# Altium PCB Driver.PcbDoc (continued)
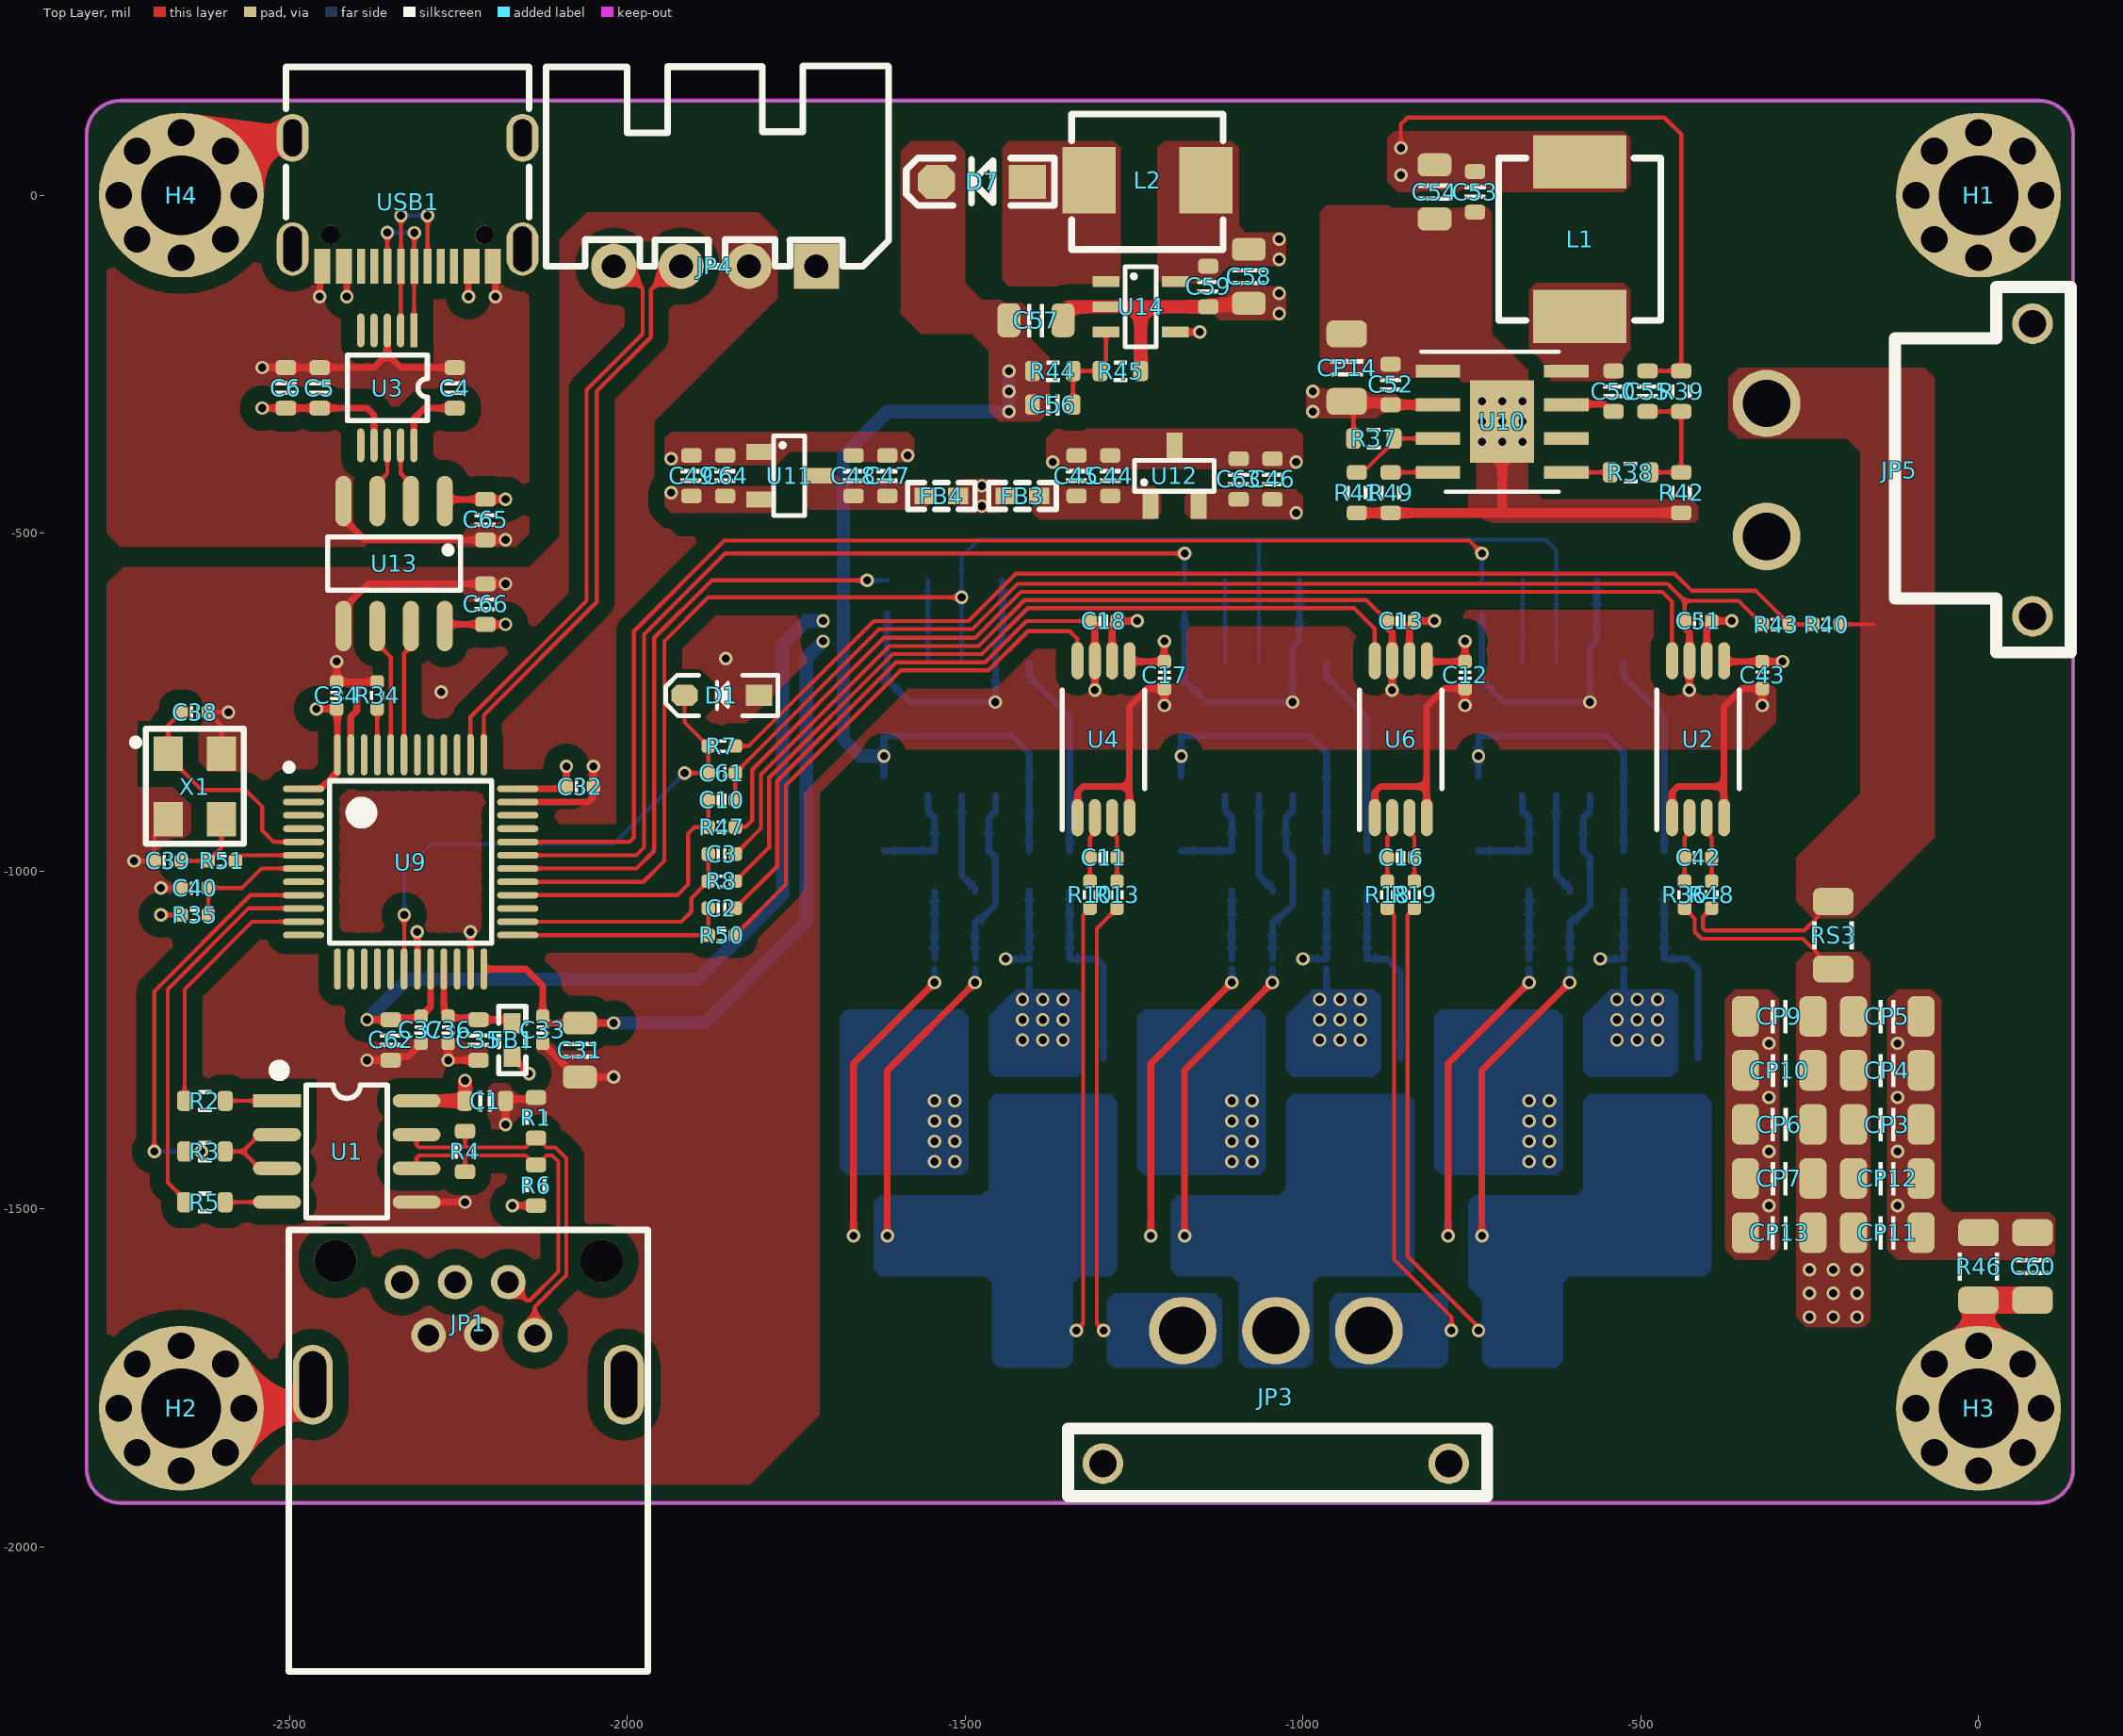
[diagram p0: Top Layer view]
## Footprints (in the part's own frame and the unit in brackets; to place one, negate y for a bottom-side part, rotate by r counter-clockwise, add the part's x,y. Pads: shape width x height; smd on the part's side, far side on the other; paste and mask are expansions set on the pad) (continued)
  rect 43.31x51.18 smd: 1(-39.5,48.5) 2(-39.5,-48.5) 3(39.5,-48.5) 4(39.5,48.5)
  silkscreen extent -92,-84 72,86, body extent -51,-62 48,64, height 31
"定位孔 Φ3 1" [mm]
  round 1 hole 1: 1(-2.35,0) 1(-1.662,-1.662) 1(-1.662,1.662) 1(0,-2.35) 1(0,2.35) 1(1.662,-1.662) 1(1.662,1.662) 1(2.35,0)
  round 6.2 hole 3: 1(0,0)

## Part data
C1 C2 C3 C6 C7 C8 C9 C10 C11 C12 C13 C14 C15 C16 C17 C18 C19 C20 C21 C22 C23 C24 C25 C26 C27 C28 C29 C30 C31 C32 C33 C34 C35 C36 C37 C38 C39 C40 C41 C42 C43 C44 C45 C46 C47 C48 C49 C50 C51 C52 C53 C54 C55 C56 C57 C58 C59 C60 C61 C62 C63 C64 CP1 CP2 CP3 CP4 CP5 CP6 CP7 CP8 CP9 CP10 CP11 CP12 CP13 CP14: library part Cap
C4 C5 C65 C66: library part Cap_100nF
D1: "3.14V~3.47V / 300mW"
D3 D4 D5: "100V 0.2A开关管"
D7: "30V 0.5A"
FB1 FB3 FB4: library part FB, "磁珠"
JP1: "IEEE 1394 FireWire接口"
JP4: library part "Header 4P", "4P接插件", BOM名称=4P接插件, 学习资源=www.ooocke.com, 版权归属=源创客
L1 L2: library part L-CDRH, "功率屏蔽电感"
M1 M2 M3 M4 M5 M6: "N沟场效应管"
R1 R2 R3 R4 R5 R6 R7 R8 R9 R10 R11 R12 R13 R14 R15 R16 R17 R18 R19 R20 R21 R22 R23 R24 R25 R26 R27 R28 R29 R30 R31 R32 R33 R34 R35 R36 R37 R38 R39 R40 R41 R42 R43 R44 R45 R46 R47 R48 R49 R50 R51 RS1 RS2 RS3: library part RES
U1: "485总线芯片"
U2 U4 U6: library part INA240, "No Description Available", Manufacturer_Part_Number=INA240A1PW, Mfr_Name="Texas Instruments", Copyright="Copyright (C) 2022 Ultra Librarian. All rights reserved.", RefDes=RefDes, Type=DEV
U3: "USB to TTL Serial / UART"
U5 U7 U8: "半桥驱动"
U9: "No Description Available", Mfr_Name=STMicroelectronics, Copyright="Copyright (C) 2022 Ultra Librarian. All rights reserved.", Manufacturer_Part_Number=STM32G431CBT6, RefDes=RefDes, Type=DEV
U10: "No Description Available", Manufacturer_Part_Number=SCT2A10STER
U11: library part XC6206, "VIN < 6V"
U12: library part REF33XX, "TI 电压基准"
U13: "隔离芯片"
U14: library part TPS6104x, "Boost DC-DC"
USB1: library part USB-C-16P, BOM_JLCPCB Part Class="Extended Part", BOM_Manufacturer="Shenzhen Kinghelm Elec", BOM_Manufacturer Part=KH-TYPE-C-16P, BOM_Supplier=LCSC, BOM_Supplier Part=C709357, Contributor=LCSC, spicePre=U, spiceSymbolName=KH-TYPE-C-16P
X1: library part XTAL-4, "4脚晶振", BOM名称=4脚晶振, 学习资源=www.ooocke.com, 版权归属=源创客

## Via types
v1: diameter 20, hole 12, Top Layer to Bottom Layer, 180 vias

## Nets (pads, with @x,y where several pads share a name; then routed paths per layer and width w, separated by ;. In a path a pad name is that pad's centre, name@x,y a point inside that pad or via, vN(x,y) a via of type N, cw(c..) or ccw(c..) an arc to the next point about the centre after c; other vN are vias at no path point)
3V3: C12.2 C17.2 C31.2 C32.2 C33.2 C34.2 C43.2 C49.2 C64.2 C66.1 FB1.1 JP4.1 R35.1 U2.5 U4.5 U6.5 U9.1 U9.24 U9.36 U9.48 U11.2 U13.8 | length 3164.3
  Top Layer w6: v1(-2690,-1065) R35.1
  Top Layer w10: U9.1 -2453.53,-878.23 -2428.77,-853.47 U9.48 U9.48 -2428.85,-761.15 C34.2 v1(-2460,-760) ; U13.8 -2267.48,-635 C66.1 v1(-2180,-635) ; U9.24 U9.24 -2150,-1145 -2125,-1170 C33.2 -2115,-1225 C31.2 v1(-2020,-1225) ; FB1.1@-2170,-1272.5 FB1.1 v1(-2145.25,-1299.75) ; U9.36 U9.36 -2093.15,-878.15 C32.2 v1(-2090,-845) ; U4.5 -1255.47,-690 C17.2 ; v1(-1205,-660) C17.2 ; C17.2@-1200,-690 C17.2 ; U6.5 -815.47,-690 C12.2 v1(-760,-660) ; U2.5 -375.47,-690 C43.2 v1(-290,-690)
  POWER GND2 w20: v1(-1710,-660) v1(-1205,-660) v1(-760,-660) -320,-660 v1(-290,-690)
  Bottom Layer w20: v1(-2020,-1225) -1885,-1225 -1735,-1075 -1735,-685 v1(-1710,-660)
  other v1: -1935,-440
3V_REF: C13.2 C18.2 C37.1 C46.2 C51.2 C62.1 C63.2 U2.6 U4.6 U6.6 U9.20 U12.2 | length 3074.6
  Top Layer w10: v1(-2385,-1220) C62.1 -2347.5,-1217.5 -2307.5,-1217.5 C37.1 -2290.97,-1200.97 U9.20 ; U4.6 -1282.2,-637.2 C18.2 v1(-1245,-630) ; U6.6 -842.2,-637.2 C13.2 v1(-805,-630) ; U2.6 -402.2,-637.2 C51.2 v1(-365,-630)
  POWER GND2 w20: v1(-1710,-630) v1(-1245,-630) -1010,-630 ; v1(-1010,-470) -1010,-630 ; v1(-365,-630) v1(-805,-630) -1010,-630
  Bottom Layer w20: v1(-2385,-1220) -2325,-1160 -1895,-1160 -1770,-1035 -1770,-665 -1735,-630 v1(-1710,-630)
5V: C1.2 C53.2 C54.1 C55.1 C58.2 C59.2 FB3.1 FB4.1 JP1.1 L1.2 L2.1 R6.1 R39.2 U1.8 U14.4 U14.5 | length 1082.4
  Top Layer w6: v1(-855,70) -855,105 -845,115 -465,115 -440,90 R39.2 C55.1
  Top Layer w10: v1(-2170,-1495) R6.1 ; U14.4 v1(-1152.6,-202.4)
  Top Layer w20: U1.8 C1.2 v1(-2240,-1310)
  POWER GND2 w20: -2240,-1355 v1(-2240,-1310)
  other v1: -1475,-460 -1475,-430 -1035,-95 -1035,-65 -855,30
12V: C7.1 C8.1 C19.1 C20.1 C25.1 C26.1 C56.2 C57.2 D3.A D4.A D5.A D7.K R44.1 U5.5 U7.5 U8.5 | length 3789.4
  POWER GND1 w20: v1(-1620,-829.94) -1620,-1088.28 -1608.28,-1100 -1180,-1100 ; v1(-1180,-829.94) -1180,-1100 ; v1(-740,-829.94) -740,-1088.28 -751.72,-1100 -1180,-1100
  Bottom Layer w10: D3.A v1(-1620,-829.94) C7.1 -1430,-800 -1405,-825 U5.5 C20.1 ; D4.A v1(-1180,-829.94) C19.1 -990,-800 -965,-825 U7.5 C8.1 ; D5.A v1(-740,-829.94) C25.1 -550,-800 -525,-825 U8.5 C26.1
  Bottom Layer w20: v1(-1620,-829.94) -1655.06,-829.94 -1680,-805 -1680,-385 -1615,-320 v1(-1435,-320) v1(-1435,-290) v1(-1435,-260)
"485 DIR": R3.1 U9.9 | length 616
  Top Layer w6: v1(-2700,-1415) -2700,-1178.03 -2557.68,-1035.71 U9.9 ; R3.1@-2655,-1419 R3.1 v1(-2630,-1415)
  Bottom Layer w6: v1(-2700,-1415) v1(-2630,-1415)
"485 RXD": R2.1 U9.11 | length 382.4
  Top Layer w6: R2.1 -2655,-1175 -2555.08,-1075.08 U9.11
"485 TXD": R5.1 U9.10 | length 576.3
  Top Layer w6: R5.1 -2655,-1486 -2680,-1461 -2680,-1175 -2560,-1055 -2479.36,-1055 U9.10
485_N: JP1.6 R1.1 R4.2 U1.7 | length 563
  Top Layer w6: U1.7 -2311.65,-1405.49 -2308.14,-1409 -2243.51,-1409 -2240,-1405.49 ; R4.2 -2240,-1405.49 ; JP1.6 -2136.57,-1644.75 -2090,-1598.17 -2090,-1425 -2106,-1409 -2119.49,-1409 -2123,-1405.49 -2123,-1404.35 -2132.35,-1395 -2137.65,-1395 -2147,-1404.35 -2147,-1405.49 -2150.51,-1409 -2236.49,-1409 -2240,-1405.49
485_P: JP1.5 R4.1 R6.2 U1.6 | length 532.4
  Top Layer w6: U1.6 -2311.65,-1424.51 -2308.14,-1421 -2243.51,-1421 -2240,-1424.51 ; R4.1 -2240,-1424.51 ; JP1.5 -2149.07,-1635.3 -2144.1,-1635.3 -2102,-1593.2 -2102,-1429.97 -2110.97,-1421 -2119.49,-1421 -2123,-1424.51 -2123,-1425.65 -2132.35,-1435 -2137.65,-1435 -2147,-1425.65 -2147,-1424.51 -2150.51,-1421 -2236.49,-1421 -2240,-1424.51
BOOT0: R34.1 U9.45 | length 68.2
  Top Layer w6: R34.1 -2369.86,-760.14 -2369.86,-827.89 U9.45
EARTH1: H1.1
EARTH2: H2.1 JP1.7 | length 130.9
  Top Layer w40: H2.1@-2567.48,-1795 -2555.94,-1795 -2554.12,-1793.17 -2474.12,-1793.17 -2465.32,-1784.37 JP1.7
EARTH3: C60.2 H3.1 R46.1 | length 147.5
  Top Layer w40: H3.1@0,-1702.48 R46.1 10,-1635 C60.2
EARTH4: H4.1 USB1.4 | length 210.1
  Top Layer w40: H4.1@-2660,0 -2653.28,0 -2571.4,81.88 -2498.42,81.88 -2495.08,85.23 USB1.4@-2495.08,95.08
GND: C1.1 C2.2 C3.2 C7.2 C8.2 C10.2 C12.1 C13.1 C14.2 C17.1 C18.1 C19.2 C20.2 C22.2 C23.2 C25.2 C26.2 C28.2 C29.2 C31.1 C32.1 C33.1 C34.1 C35.2 C36.2 C37.2 C38.1 C39.1 C40.1 C41.2 C43.1 C44.1 C45.1 C46.1 C47.1 C48.1 C49.1 C51.1 C52.1 C53.1 C54.2 C57.1 C58.1 C59.1 C60.1 C61.2 C62.2 C63.1 C64.1 C66.2 CP1.1 CP2.1 CP3.1 CP4.1 CP5.1 CP6.1 CP7.1 CP8.1 CP9.1 CP10.1 CP11.1 CP12.1 CP13.1 CP14.1 D1.A JP1.2 JP1.4 JP4.2 JP5.2 M2.S M4.S M6.S R1.2 R15.2 R16.2 R17.1 R24.2 R25.2 R26.1 R31.2 R32.2 R33.1 R34.2 R41.1 R42.1 R43.1 R45.2 R46.2 R49.1 U1.5 U2.1 U2.4 U2.7 U4.1 U4.4 U4.7 U5.3 U6.1 U6.4 U6.7 U7.3 U8.3 U9.19 U9.23 U9.35 U9.47 U10.1 U10.EPAD U11.1 U12.3 U13.5 U14.2 X1.2 X1.4 | length 9567.6
  Top Layer w6: v1(-2730,-985) C39.1 -2700,-947.94 -2679.5,-927.44 X1.2 ; v1(-2690,-1025) C40.1 ; X1.4 -2600.5,-784.5 C38.1 v1(-2590,-765) ; C2.2 -1778,-993 -1778,-866.94 -1602.06,-691 -1470.09,-691 -1409.09,-630 C18.1 ; C3.2 -1802,-937 -1802,-857 -1612,-667 -1480.03,-667 -1412.03,-599 -906,-599 C13.1 ; C10.2 C61.2 -1821,-836 -1627,-642 -1488.97,-642 -1421.97,-575 -460,-575 -435,-600 ; C51.1 -435,-600 ; R43.1 -355,-600 -435,-600
  Top Layer w10: v1(-2430,-690) C34.1 -2400,-720 ; U13.5 -2420,-611.93 -2383.07,-575 C66.2 v1(-2180,-575) ; U9.47 -2409.08,-771.71 -2400,-762.63 -2400,-720 ; v1(-2385,-1280) C62.2 -2344.31,-1274.31 -2324.31,-1274.31 C37.2 ; R34.2 -2400,-720 ; U1.5 v1(-2240,-1490) ; U9.19 v1(-2310.66,-1090) ; C36.2 v1(-2265,-1280) C35.2 ; U9.23 v1(-2231.92,-1090) ; v1(-2180,-1375) C1.1 -2177.5,-1337.5 -2137.5,-1337.5 R1.2 ; U9.35 -2057.08,-897.92 -2051.22,-892.06 -2051.22,-876.22 C32.1 v1(-2050,-845) ; C33.1 -2087.84,-1292.16 -2087.84,-1293.27 -2076.11,-1305 C31.1 v1(-2020,-1305) ; U4.1 -1333.39,-883.39 -1325,-875 -1256.61,-875 ; C18.1 -1307.8,-637.2 U4.7 v1(-1307.8,-732.2) ; U4.4 -1256.61,-875 ; v1(-1205,-755) C17.1 -1230,-730 -1256.61,-756.61 -1256.61,-875 ; U6.1 -893.39,-883.39 -885,-875 -816.61,-875 ; C13.1@-875,-640 -867.8,-647.2 U6.7 v1(-867.8,-732.2) ; U6.4 -816.61,-875 ; C12.1@-765,-730 -790,-730 -816.61,-756.61 -816.61,-875 ; v1(-760,-755) C12.1 ; U2.1 -453.39,-883.39 -445,-875 -376.61,-875 ; -435,-640 -427.8,-647.2 U2.7 v1(-427.8,-732.2) ; U2.4 -376.61,-875 ; C43.1@-325,-730 -350,-730 -376.61,-756.61 -376.61,-875 ; v1(-320,-755) C43.1
  Top Layer w15: R41.1 R49.1 -710,-470 ; v1(-705,-335) v1(-705,-365) -705,-465 -710,-470 ; R42.1 -710,-470
  Top Layer w20: C57.1 -1355,-178.89 -1341.11,-165 U14.2 -1240,-165 ; R45.2 -1240,-165 ; C58.1 -1082.5,-162.5 -1137.5,-162.5 C59.1 -1240,-165
  Bottom Layer w10: R16.2 -1615,-715 C7.2 -1612,-720 -1582,-750 v1(-1455,-750) U5.3 -1455,-668.82 -1445,-658.82 C14.2 R15.2 ; v1(-1440,-1130) C22.2 R17.1 C20.2 ; -1405,-1230 C22.2@-1405,-1145 ; R25.2 -1175,-715 C19.2 -1172,-720 -1142,-750 v1(-1015,-750) U7.3 -1015,-668.82 -1005,-658.82 C23.2 R24.2 ; v1(-1000,-1130) C28.2 R26.1 C8.2 ; -965,-1230 C28.2@-965,-1145 ; R32.2 -735,-715 C25.2 -732,-720 -702,-750 v1(-575,-750) U8.3 -575,-668.82 -565,-658.82 C29.2 R31.2 ; v1(-560,-1130) C41.2 R33.1 C26.2 ; -525,-1230 C41.2@-525,-1145
  other v1: -310,-1495 -120,-1495 -310,-1415 -120,-1415 -310,-1335 -120,-1335 -310,-1255 -120,-1255 -1415,-1250 -1385,-1250 -1355,-1250 -975,-1250 -945,-1250 -915,-1250 -535,-1250 -505,-1250 -475,-1250 -1415,-1220 -1385,-1220 -1355,-1220 -975,-1220 -945,-1220 -915,-1220 -535,-1220 -505,-1220 -475,-1220 -1415,-1190 -1385,-1190 -1355,-1190 -975,-1190 -945,-1190 -915,-1190 -535,-1190 -505,-1190 -475,-1190 -2275,-735 -1854.04,-685.72 -1370,-395 -1010,-395 -1935,-390 -1585,-385 -735,-365 -675,-365 -735,-335 -675,-335 -735,-305 -705,-305 -675,-305 -1035,-175 -1035,-145
Ia+: C2.1 R50.1 U9.25 | length 322.1
  Top Layer w6: U9.25 -1880.23,-1094.77 R50.1 C2.1
Ia_Sample: C9.2 C15.2 M1.S M2.D R10.2 R11.1 RS1.2 U5.6 | length 1413.8
  Top Layer w6: v1(-1335,-1680) -1335,-1679.49 -1325,-1669.49 -1325,-1065.51 -1315,-1055.51 R10.2
  Top Layer w10: v1(-1615,-1540) -1615,-1295 v1(-1485,-1165)
  Bottom Layer w6: RS1.2 v1(-1335,-1680)
  Bottom Layer w10: v1(-1615,-1540) M1.S@-1615,-1502.8 ; v1(-1485,-1165) -1485,-1145 ; C15.2 -1485,-1076.27 -1479.04,-1070.31 -1475.31,-1070.31 -1455,-1050 -1455,-995.86 -1455.16,-995.7 -1455.16,-979.84 C9.2 -1465,-921.18 -1455,-911.18 U5.6
Ic-: C3.1 R8.1 U9.26 | length 358.6
  Top Layer w6: U9.26 -1920.08,-1075.08 -1905,-1060 -1905,-1040 R8.1 C3.1
Ic_Sample: C27.2 C30.2 M5.S M6.D R19.2 R28.1 RS2.2 U8.6 | length 1462.3
  Top Layer w6: R19.2@-828.53,-1048.53 R19.2 -845,-1065 -845,-1570 -744.93,-1670.07 -744.93,-1671.28 -740,-1676.21 v1(-740,-1680)
  Top Layer w10: v1(-735,-1540) -735,-1295 v1(-605,-1165)
  Bottom Layer w6: v1(-740,-1680) RS2.2
  Bottom Layer w10: v1(-735,-1540) M5.S@-735,-1502.8 ; v1(-605,-1165) -605,-1145 ; C30.2 R28.1 -605,-1076.27 -599.04,-1070.31 -595.31,-1070.31 -575,-1050 -575,-995.86 -575.16,-995.7 -575.16,-979.84 C27.2 -585,-921.18 -575,-911.18 U8.6
Iin+: C10.1 R47.1 U9.28 | length 407.7
  Top Layer w6: U9.28 -1925.71,-1035.71 -1910,-1020 -1910,-945 -1900,-935 R47.1 C10.1
INa: R12.2 U9.30 | length 908.2
  Top Layer w6: U9.30 -1986.34,-996.34 -1960,-970 -1960,-655 -1875,-570 v1(-1645,-570)
  Bottom Layer w6: v1(-1645,-570) R12.2
INb: R22.2 U9.31 | length 1396.6
  Top Layer w6: U9.31 -1986.66,-976.66 -1975,-965 -1975,-650 -1855,-530 v1(-1175,-530)
  Bottom Layer w6: R22.2 v1(-1175,-530)
INc: R29.2 U9.32 | length 1838.3
  Top Layer w6: U9.32 -1996.97,-956.97 -1990,-950 -1990,-645 -1856,-511 -754,-511 v1(-735,-530)
  Bottom Layer w6: R29.2 v1(-735,-530)
NetC4_1: C4.1 U3.10 | length 106.5
  Top Layer w10: U3.10 -2315.63,-330.63 -2300,-315 C4.1
NetC9_1: C9.1 D3.K U5.8 | length 160.8
  Bottom Layer w10: D3.K -1545.12,-970.12 C9.1 -1545,-921.18 -1555,-911.18 U5.8
NetC11_1: C11.1 R13.1 U4.3 | length 96.8
  Top Layer w6: U4.3 -1282.2,-943.01 -1275,-950.22 R13.1
NetC11_2: C11.2 R10.1 U4.2 | length 96.8
  Top Layer w6: R10.1 -1315,-950.22 -1307.8,-943.01 U4.2
NetC15_1: C15.1 M1.G R9.1 R11.2 | length 581.9
  Top Layer w10: v1(-1665,-1540) -1665,-1285 v1(-1545,-1165)
  Bottom Layer w10: v1(-1665,-1540) M1.G ; v1(-1545,-1165) -1545,-1145 ; C15.1 R11.2 R9.1
NetC16_1: C16.1 R19.1 U6.3 | length 96.8
  Top Layer w6: U6.3 -842.2,-943.01 -835,-950.22 R19.1
NetC16_2: C16.2 R18.1 U6.2 | length 96.8
  Top Layer w6: R18.1 -875,-950.22 -867.8,-943.01 U6.2
NetC21_1: C21.1 D4.K U7.8 | length 160.8
  Bottom Layer w10: D4.K -1105.12,-970.12 C21.1 -1105,-921.18 -1115,-911.18 U7.8
NetC22_1: C22.1 M2.G R14.1 R17.2 | length 291.3
  Bottom Layer w10: R14.1 R17.2 C22.1 -1305,-1130 -1295,-1140 M2.G
NetC24_1: C24.1 M3.G R20.1 R21.2 | length 581.9
  Top Layer w10: v1(-1225,-1540) -1225,-1285 v1(-1105,-1165)
  Bottom Layer w10: v1(-1225,-1540) M3.G ; v1(-1105,-1165) -1105,-1145 ; C24.1 R21.2 R20.1
NetC27_1: C27.1 D5.K U8.8 | length 160.8
  Bottom Layer w10: D5.K -665.12,-970.12 C27.1 -665,-921.18 -675,-911.18 U8.8
NetC28_1: C28.1 M4.G R23.1 R26.2 | length 285.5
  Bottom Layer w10: R23.1 R26.2 C28.1 -875,-1130 -855,-1150 M4.G
NetC30_1: C30.1 M5.G R27.1 R28.2 | length 581.9
  Top Layer w10: v1(-785,-1540) -785,-1285 v1(-665,-1165)
  Bottom Layer w10: v1(-785,-1540) M5.G ; v1(-665,-1165) -665,-1145 ; C30.1 R28.2 R27.1
NetC35_1: C35.1 C36.1 FB1.2 U9.21 | length 171.8
  Top Layer w10: U9.21 -2271.29,-1208.71 C36.1 -2262.5,-1217.5 -2222.5,-1217.5 C35.1 -2175,-1220 FB1.2
NetC39_2: C39.2 R51.1 X1.3 | length 109.6
  Top Layer w6: C39.2 R51.1 -2600.5,-965.5 X1.3
NetC41_1: C41.1 M6.G R30.1 R33.2 | length 288.4
  Bottom Layer w10: R30.1 R33.2 C41.1 -430,-1130 -415,-1145 M6.G
NetC42_1: C42.1 R48.1 U2.3 | length 96.8
  Top Layer w6: U2.3 -402.2,-943.01 -395,-950.22 R48.1
NetC42_2: C42.2 R36.1 U2.2 | length 96.8
  Top Layer w6: R36.1 -435,-950.22 -427.8,-943.01 U2.2
NetC44_2: C44.2 C45.2 FB3.2 U12.1
NetC47_2: C47.2 C48.2 FB4.2 U11.3
NetC50_1: C50.1 U10.7 | length 74.6
  Top Layer w10: U10.7@-610,-309 -555.27,-309 -544.27,-320 C50.1
NetC50_2: C50.2 L1.1 U10.8
NetC55_2: C55.2 R38.1 R39.1 R42.2 | length 185
  Top Layer w6: C55.2 R39.1 R42.2 R38.1
NetC56_1: C56.1 R44.2 R45.1 U14.3 | length 151.3
  Top Layer w6: C56.1 R44.2 R45.1 -1300,-254.65 -1291.18,-245.83 U14.3
NetD7_A: D7.A L2.2 U14.1
NetR2_2: R2.2 U1.1 | length 76.7
  Top Layer w6: R2.2 U1.1
NetR3_2: R3.2 U1.2 U1.3 | length 148
  Top Layer w6: R3.2 -2568.94,-1415 ; U1.3 -2543.94,-1440 -2568.94,-1415 ; U1.2 -2543.94,-1390 -2568.94,-1415
NetR5_2: R5.2 U1.4 | length 76.7
  Top Layer w6: R5.2 U1.4
NetR7_1: R7.1 R40.1 R43.2 | length 1731.7
  Top Layer w6: R7.1 -1820,-815 -1635,-630 -1495,-630 -1425,-560 -450,-560 -425,-585 -330,-585 R43.2 R40.1
NetR8_2: R8.2 U6.8 | length 1234.2
  Top Layer w6: R8.2 -1790,-965 -1790,-861.97 -1607.03,-679 -1475.06,-679 -1407.06,-611 -924,-611 -894,-641 -894,-688.24 U6.8
NetR9_2: R9.2 U5.7 | length 149.9
  Bottom Layer w10: U5.7 -1505,-1006.27 -1485,-1026.27 R9.2
NetR12_1: R12.1 R16.1 U5.1 | length 121.6
  Bottom Layer w6: U5.1 R16.1 R12.1
NetR14_2: R14.2 U5.4 | length 303.3
  Bottom Layer w10: U5.4 -1405,-712.24 -1345,-772.24 R14.2
NetR20_2: R20.2 U7.7 | length 149.9
  Bottom Layer w10: U7.7 -1065,-1006.27 -1045,-1026.27 R20.2
NetR22_1: R22.1 R25.1 U7.1 | length 121.6
  Bottom Layer w6: U7.1 R25.1 R22.1
NetR23_2: R23.2 U7.4 | length 303.3
  Bottom Layer w10: U7.4 -965,-712.24 -905,-772.24 R23.2
NetR27_2: R27.2 U8.7 | length 149.9
  Bottom Layer w10: U8.7 -625,-1006.27 -605,-1026.27 R27.2
NetR29_1: R29.1 R32.1 U8.1 | length 121.6
  Bottom Layer w6: U8.1 R32.1 R29.1
NetR30_2: R30.2 U8.4 | length 303.3
  Bottom Layer w10: U8.4 -525,-712.24 -465,-772.24 R30.2
NetR37_1: R37.1 R41.2 U10.3 | length 143.5
  Top Layer w6: R41.2 -913.54,-403.54 -904.54,-403.54 -865,-364 R37.1 -801,-360 U10.3@-800,-359
NetR38_2: R38.2 U10.5 | length 65.4
  Top Layer w6: U10.5@-610,-409 -609,-410 R38.2
NetR47_2: R47.2 U2.8 | length 1668
  Top Layer w6: R47.2 -1839.51,-934.51 -1824.51,-934.51 -1815,-925 -1815,-850 -1620,-655 -1485,-655 -1417,-587 -468,-587 -454,-601 -454,-688.24 U2.8
NetR49_2: R49.2 U10.4 | length 70.4
  Top Layer w6: R49.2 -801,-410 U10.4@-800,-409
NetR50_2: R50.2 U4.8 | length 816.2
  Top Layer w6: R50.2 -1765,-1020 -1765,-873 -1595,-703 -1465.12,-703 -1407.12,-645 -1345,-645 -1334,-656 -1334,-688.24 U4.8
NetU3_8: U3.8 U13.3 | length 88.7
  Top Layer w6: U13.3 -2370,-426.89 -2355,-411.89 U3.8
NetU3_9: U3.9 U13.2 | length 88.8
  Top Layer w6: U3.9 -2335.31,-411.57 -2320,-426.89 U13.2
NetU9_8: U9.8
NetU9_12: U9.12
NetU9_13: U9.13
NetU9_14: U9.14
NetU9_15: U9.15
NetU9_16: U9.16
NetU9_17: U9.17
NetU9_22: U9.22
NetU9_27: U9.27
NetU9_33: U9.33
NetU9_34: U9.34
NetU9_39: U9.39
NetU9_40: U9.40
NetU9_41: U9.41
NetU9_42: U9.42
NetU9_46: U9.46
OSC_IN: C38.2 U9.5 X1.1 | length 347
  Top Layer w6: C38.2 -2679.5,-784.5 X1.1 -2679.5,-830.44 -2629.94,-880 -2565,-880 -2540,-905 -2540,-940 -2523.03,-956.97 U9.5
OSC_OUT: R51.2 U9.6 | length 104.5
  Top Layer w6: R51.2 -2578.92,-985 -2570.58,-976.66 U9.6
PowerOutA: JP3.3 R13.2 RS1.1 | length 671.6
  Top Layer w6: v1(-1295,-1680) -1295,-1679.49 -1305,-1669.49 -1305,-1085 R13.2
  Bottom Layer w6: v1(-1295,-1680) RS1.1
PowerOutB: C21.2 C24.2 JP3.2 M3.S M4.D R21.1 U7.6 | length 750.5
  Top Layer w10: v1(-1175,-1540) -1175,-1295 v1(-1045,-1165)
  Bottom Layer w10: v1(-1175,-1540) M3.S@-1175,-1502.8 ; v1(-1045,-1165) -1045,-1145 ; C24.2 R21.1 -1045,-1076.27 -1039.04,-1070.31 -1035.31,-1070.31 -1015,-1050 -1015,-995.86 -1015.16,-995.7 -1015.16,-979.84 C21.2 -1025,-921.18 -1015,-911.18 U7.6
PowerOutC: JP3.1 R18.2 RS2.1 | length 702.9
  Top Layer w6: R18.2@-881.01,-1048.99 -865,-1065 -865,-1575 -780,-1660 v1(-780,-1680)
  Bottom Layer w6: RS2.1 v1(-780,-1680)
SDa: C14.1 C23.1 C29.1 R15.1 R24.1 R31.1 U5.2 U7.2 U8.2 U9.29 | length 2423.1
  Top Layer w6: U9.29 -1976.03,-1016.03 -1945,-985 -1945,-660 -1880,-595 v1(-1505,-595)
  Bottom Layer w6: U5.2 C14.1 v1(-1505,-595) R15.1 -1505,-535 -1480,-510 -1065,-510 ; U7.2 C23.1 R24.1 -1065,-510 ; U8.2 C29.1 R31.1 -625,-525 -640,-510 -1065,-510
STM32_RST: C40.2 R35.2 U9.7 | length 192.9
  Top Layer w6: R35.2 C40.2 -2570,-1025 -2541.34,-996.34 U9.7
SWCLK: JP4.4 U9.38 | length 856.4
  Top Layer w6: U9.38 -2231.92,-771.92 -2060,-600 -2060,-288.03 -1977,-205.03 -1977,-138 JP4.4@-2020,-95
SWDIO: JP4.3 U9.37 | length 854.1
  Top Layer w6: U9.37 -2212.23,-769.2 -2045,-601.97 -2045,-290 -1965,-210 -1965,-140 JP4.3@-1920,-95
Udc: C61.1 D1.K R7.2 U9.18 | length 785.4
  Top Layer w6: U9.18@-2330,-1145.31 U9.18 -2330,-1144.62 v1(-2330,-1065) ; v1(-1915,-855) C61.1 R7.2 -1915.12,-779.88 D1.K D1.K@-1915,-740.12
  Bottom Layer w6: v1(-2330,-1065) -2330,-1000 -2290,-960 -2020,-960 v1(-1915,-855)
"USB RXD": U9.43 U13.7 | length 194.8
  Top Layer w6: U9.43 -2330.34,-678.22 -2320,-667.88 U13.7
"USB TXD": U9.44 U13.6 | length 198.8
  Top Layer w6: U13.6 -2370,-663.11 -2350.03,-683.08 U9.44
USB_5V: C5.1 C6.1 C65.2 U3.7 U13.1 USB1.A4 USB1.A9 USB1.B4 USB1.B9 | length 440.5
  Top Layer w10: v1(-2540,-315) C6.1 C5.1 -2385,-315 -2374.68,-325.32 U3.7 ; USB1.A9@-2425.4,-95.09 -2413.58,-95.09 -2415,-96.51 v1(-2415,-150) ; U13.1 -2267.52,-450 C65.2 v1(-2180,-450) ; v1(-2235,-150) -2235,-96.51 -2236.42,-95.09 -2224.61,-95.09 USB1.A4@-2225,-95.47
USB_D_N: U3.2 USB1.A7 USB1.B7 | length 274.7
  Top Layer w6: U3.2 -2335.08,-199.76 -2335.08,-95.32 -2334.84,-95.09 v1(-2334.84,-30.16) ; USB1.B7@-2295.23,-94.85 v1(-2295.23,-29.92)
  Bottom Layer w6: v1(-2334.84,-30.16) -2334.72,-30.04 -2295.35,-30.04 v1(-2295.23,-29.92)
USB_D_P: U3.1 USB1.A6 USB1.B6 | length 225
  Top Layer w6: v1(-2355,-55) -2355,-94.61 USB1.B6@-2354.53,-95.09 ; U3.1 -2315.39,-199.76 -2315.39,-95.32 -2315.16,-95.09 v1(-2315.16,-55.47)
  Bottom Layer w6: v1(-2355,-55) -2354.76,-55.24 -2315.39,-55.24 v1(-2315.16,-55.47)
USB_GND: C4.2 C5.2 C6.2 C65.1 U3.3 U13.4 USB1.A1 USB1.A12 USB1.B1 USB1.B12 | length 750.4
  Top Layer w6: USB1.A12@-2456.89,-95.09 USB1.B1@-2445.08,-95.09 ; USB1.B12@-2204.92,-95.09 USB1.A1@-2193.11,-95.09
  Top Layer w10: v1(-2540,-255) C6.2 C5.2 -2375,-255 -2355,-235 ; USB1.A12@-2456.89,-95.09 -2455,-96.98 v1(-2455,-150) ; U13.4 -2420,-478.07 -2388.07,-510 C65.1 v1(-2180,-510) ; U3.3 -2355,-235 ; C4.2 -2335,-255 -2355,-235 ; v1(-2195,-150) -2195,-96.98 USB1.A1@-2193.11,-95.09
Vin: CP1.2 CP2.2 CP3.2 CP4.2 CP5.2 CP6.2 CP7.2 CP8.2 CP9.2 CP10.2 CP11.2 CP12.2 CP13.2 M1.D M3.D M5.D R36.2 RS3.1 | length 272.5
  Top Layer w6: R36.2 -435,-1055.51 -420,-1070.51 -420,-1090 -410,-1100 -260,-1100 -237.44,-1122.56 -237.44,-1128.53 -220.97,-1145 RS3.1
  other v1: -250,-1660 -215,-1660 -180,-1660 -250,-1625 -215,-1625 -180,-1625 -250,-1590 -215,-1590 -180,-1590 -1545,-1430 -1515,-1430 -1105,-1430 -1075,-1430 -665,-1430 -635,-1430 -1545,-1400 -1515,-1400 -1105,-1400 -1075,-1400 -665,-1400 -635,-1400 -1545,-1370 -1515,-1370 -1105,-1370 -1075,-1370 -665,-1370 -635,-1370 -1545,-1340 -1515,-1340 -1105,-1340 -1075,-1340 -665,-1340 -635,-1340
Vpower: C52.2 CP14.2 JP5.1 R37.2 R40.2 R48.2 RS3.2 U10.2 | length 522.2
  Top Layer w6: CP14.2 -933,-307 -925,-315.01 R37.2 ; R48.2 -408,-1068 -408,-1084.49 -404.49,-1088 -258,-1088 -237.43,-1067.43 -237.43,-1061.46 -220.96,-1045 RS3.2 ; R40.2 -155,-635
  Top Layer w15: CP14.2@-933,-307 C52.2@-870,-307 ; C52.2@-866.5,-306.5 C52.2 U10.2 ; U10.2@-824.5,-309 U10.2@-800,-309
  other v1: -985,-320 -985,-290
pads on no net: JP1.3 JP1.8 JP1.9 JP1.10 JP3.4 JP3.5 JP5.3 JP5.4 U3.4 U3.5 U3.6 U9.2 U9.3 U9.4 U10.6 USB1. USB1.1 USB1.2 USB1.3 USB1.A5 USB1.A8 USB1.B5 USB1.B8

## Polygon pours and split planes (outlines as drawn)
5V on POWER GND2 "5V_L03_P076" (solid, remove dead copper, pour order 76): -840,-10 -940,-110 -1055,-110 -1105,-160 -1105,-405 -1235,-535 -1665,-535 -1745,-615 -1745,-1310 -2085,-1650 -2385,-1650 -2500,-1535 -2500,-1365 -2475,-1340 -2035,-1340 -1960,-1265 -1960,-620 -1655,-315 -1655,50 -1595,110 -860,110 -840,90
3V3 on POWER GND2 "3V3_L03_P075" (solid, remove dead copper, pour order 75): -1725,65 -2055,65 -2095,25 -2095,-485 -2205,-595 -2745,-595 -2775,-625 -2775,-1245 -2720,-1300 -2210,-1300 -2195,-1315 -2045,-1315 -1985,-1255 -1985,-610 -1685,-310 -1685,25
USB_5V on POWER GND2 "USB_5V_L03_P071" (solid, remove dead copper, pour order 71): -2420,-125 -2575,-280 -2575,-415 -2510,-480 -2190,-480 -2140,-430 -2140,-220 -2235,-125
GND on POWER GND2 "GND_L03_P069" (solid, remove dead copper, pour order 69): -1700,-1095 -1655,-1140 -370,-1140 -295,-1065 -295,-740 -340,-695 -1650,-695 -1700,-745
Vpower on POWER GND2 "VPOWER_L03_P066" (solid, remove dead copper, pour order 66): -1020,-335 -935,-420 -415,-420 -380,-385 -275,-385 -235,-345 -235,-230 -280,-185 -990,-185 -1020,-215
GND on POWER GND2 "GND_L03_P053" (solid, remove dead copper, pour order 53): -215,-450 -355,-450 -370,-465 -370,-555 -340,-585 -190,-585 -175,-600 -175,-1160 -190,-1175 -190,-1200 -170,-1220 35,-1220 50,-1205 50,-465 35,-450
GND on POWER GND2 "GND_L03_P000" (solid, remove dead copper, pour order 0): -1680,-1175 -1700,-1195 -1700,-1505 -1680,-1525 35,-1525 50,-1510 50,-1185 40,-1175
USB_GND on POWER GND1 "USB_GND_L02_P073" (solid, remove dead copper, pour order 73): -2165,-520 -2145,-500 -2145,115 -2170,140 -2750,140 -2770,120 -2770,-500 -2750,-520
GND on POWER GND1 "GND_L02_P072" (solid, remove dead copper, pour order 72): -350,-1075 -175,-900 -175,-475 -215,-435 -360,-435 -405,-390 -405,70 -445,110 -2090,110 -2120,80 -2120,-510 -2155,-545 -2740,-545 -2780,-585 -2780,-1840 -2715,-1905 -1795,-1905 -1750,-1860 -1750,-1105 -1720,-1075
Vin on POWER GND1 "VIN_L02_P047" (solid, remove dead copper, pour order 47): -160,-1560 -175,-1545 -370,-1545 -385,-1530 -385,-1310 -400,-1295 -585,-1295 -600,-1310 -600,-1685 -585,-1700 -175,-1700 -160,-1685 -160,-1625
Vin on POWER GND1 "VIN_L02_P002" (solid, remove dead copper, pour order 2): -400,-1295 -385,-1310 -385,-1465 -400,-1480 -1675,-1480 -1690,-1465 -1690,-1310 -1675,-1295
3V_REF on Top Layer "3V_REF_L01_P064" (solid, remove dead copper, pour order 64): -1010,-480 -1000,-470 -1000,-445 -1010,-435 -1165,-435 -1175,-445 -1175,-470 -1165,-480
GND on Top Layer "GND_L01_P078" (solid, remove dead copper, pour order 78): -2060,-25 -2100,-65 -2100,-505 -2145,-550 -2745,-550 -2770,-575 -2770,-1810 -2660,-1920 -1830,-1920 -1715,-1805 -1715,-885 -1650,-820 -340,-820 -300,-780 -300,-635 -430,-505 -1925,-505 -1960,-470 -1960,-335 -1775,-150 -1775,-55 -1805,-25
USB_GND on Top Layer "USB_GND_L01_P077" (solid, remove dead copper, pour order 77): -2165,-520 -2145,-500 -2145,115 -2170,140 -2750,140 -2770,120 -2770,-500 -2750,-520
GND on Top Layer "GND_L01_P074" (solid, remove dead copper, pour order 74): -1140,-135 -1160,-155 -1160,-175 -1150,-185 -1035,-185 -1025,-175 -1025,-145 -1035,-135
5V on Top Layer "5V_L01_P070" (solid, remove dead copper, pour order 70): -1505,-420 -1520,-435 -1520,-455 -1505,-470 -1450,-470 -1430,-450 -1430,-440 -1450,-420
GND on Top Layer "GND_L01_P062" (solid, remove dead copper, pour order 62): -1010,-405 -1000,-395 -1000,-355 -1010,-345 -1365,-345 -1380,-360 -1380,-395 -1370,-405
NetC44_2 on Top Layer "NETC44_2_L01_P068" (solid, remove dead copper, pour order 68): -1220,-480 -1210,-470 -1210,-440 -1220,-430 -1395,-430 -1400,-435 -1400,-470 -1390,-480
NetC47_2 on Top Layer "NETC47_2_L01_P065" (solid, remove dead copper, pour order 65): -1730,-405 -1740,-415 -1740,-455 -1730,-465 -1560,-465 -1550,-455 -1550,-435 -1560,-425 -1680,-425 -1700,-405
3V3 on Top Layer "3V3_L01_P063" (solid, remove dead copper, pour order 63): -1935,-430 -1945,-440 -1945,-460 -1935,-470 -1790,-470 -1780,-460 -1780,-435 -1785,-430
GND on Top Layer "GND_L01_P061" (solid, remove dead copper, pour order 61): -1935,-350 -1945,-360 -1945,-390 -1935,-400 -1779.45,-400 -1759.02,-379.57 -1680.43,-379.57 -1665,-395 -1585,-395 -1575,-385 -1575,-360 -1585,-350
12V on Top Layer "12V_L01_P059" (solid, remove dead copper, pour order 59): -1580,80 -1595,65 -1595,-175 -1565,-205 -1490,-205 -1465,-230 -1465,-320 -1450,-335 -1390,-335 -1375,-320 -1375,-240 -1405,-210 -1405,-170 -1420,-155 -1475,-155 -1500,-130 -1500,65 -1515,80
NetD7_A on Top Layer "NETD7_A_L01_P057" (solid, remove dead copper, pour order 57): -1280,80 -1270,70 -1270,-125 -1280,-135 -1435,-135 -1445,-125 -1445,70 -1435,80
GND on Top Layer "GND_L01_P034" (solid, remove dead copper, pour order 34): -420,-485 -415,-480 -415,-460 -425,-450 -645,-450 -655,-440 -655,-270 -720,-205 -720,-25 -730,-15 -965,-15 -975,-25 -975,-255 -960,-270 -770,-270 -755,-285 -755,-440 -755,-475.01 -745.02,-485
GND on Top Layer "GND_L01_P051" (solid, remove dead copper, pour order 51): -80,-1575 105,-1575 120,-1560 120,-1520 105,-1505 -40,-1505 -55,-1490 -80,-1490
GND on Top Layer "GND_L01_P046" (solid, remove dead copper, pour order 46): -70,-1575 -55,-1560 -55,-1190 -70,-1175 -120,-1175 -135,-1190 -135,-1560 -120,-1575
GND on Top Layer "GND_L01_P045" (solid, remove dead copper, pour order 45): -360,-1175 -375,-1190 -375,-1560 -360,-1575 -310,-1575 -295,-1560 -295,-1190 -310,-1175
Vin on Top Layer "VIN_L01_P042" (solid, remove dead copper, pour order 42): -255,-1120 -270,-1135 -270,-1660 -255,-1675 -170,-1675 -160,-1665 -160,-1135 -175,-1120
Vpower on Top Layer "VPOWER_L01_P041" (solid, remove dead copper, pour order 41): -270,-1045 -245,-1070 -185,-1070 -65,-950 -65,-270 -80,-255 -355,-255 -370,-270 -370,-345 -355,-360 -195,-360 -175,-380 -175,-885 -270,-980
Vpower on Top Layer "VPOWER_L01_P040" (solid, remove dead copper, pour order 40): -985,-280 -995,-290 -995,-320 -985,-330 -865,-330 -855,-320 -855,-300 -875,-280
5V on Top Layer "5V_L01_P039" (solid, remove dead copper, pour order 39): -1205,80 -1215,70 -1215,-125 -1205,-135 -1140,-135 -1110,-105 -1035,-105 -1025,-95 -1025,-65 -1035,-55 -1085,-55 -1095,-45 -1095,70 -1105,80
NetC50_2 on Top Layer "NETC50_2_L01_P035" (solid, remove dead copper, pour order 35): -665,-250 -640,-275 -525,-275 -515,-265 -515,-140 -525,-130 -655,-130 -665,-140
5V on Top Layer "5V_L01_P033" (solid, remove dead copper, pour order 33): -860,5 -875,20 -875,85 -865,95 -525,95 -515,85 -515,15 -525,5

## Keep-outs
Keep-Out Layer:
  the board outline again, w6

## Other copper
Bottom Layer:
  region net GND: -1455,-1305 -1464.99,-1295.01 -1464.99,-1214.99 -1425,-1175 -1335,-1175 -1325,-1185 -1325,-1295 -1335,-1305
  region net Ic_Sample: -745,-1480 -755,-1490 -755,-1615 -735,-1635 -735,-1725 -725,-1735 -625,-1735 -615,-1725 -615,-1610 -605,-1600 -405,-1600 -395,-1590 -395,-1340 -405,-1330 -575,-1330 -585,-1340 -585,-1470 -595,-1480
  region net PowerOutC: -950,-1735 -960,-1725 -960,-1635 -950,-1625 -795,-1625 -785,-1635 -785,-1725 -795,-1735
  region net GND: -575,-1305 -584.99,-1295.01 -584.99,-1214.99 -545,-1175 -455,-1175 -445,-1185 -445,-1295 -455,-1305
  region net Ia_Sample: -1340,-1725 -1350,-1735 -1450,-1735 -1460,-1725 -1460,-1610 -1470,-1600 -1625,-1600 -1635,-1590 -1635,-1490 -1625,-1480 -1475,-1480 -1465,-1470 -1465,-1340 -1455,-1330 -1285,-1330 -1275,-1340 -1275,-1590 -1284.99,-1599.99 -1329.99,-1599.99 -1340,-1610
  region net PowerOutB: -1015,-1330 -1025,-1340 -1025,-1470 -1035,-1480 -1185,-1480 -1195,-1490 -1195,-1590 -1185,-1600 -1105,-1600 -1095,-1610 -1095,-1725 -1085,-1735 -995,-1735 -985,-1725 -985,-1610 -975,-1600 -845,-1600 -835,-1590 -835,-1340 -845,-1330
  region net PowerOutA: -1120,-1635 -1130,-1625 -1280,-1625 -1290,-1635 -1290,-1725 -1280,-1735 -1130,-1735 -1120,-1725
  region net GND: -1015,-1305 -1024.99,-1295.01 -1024.99,-1214.99 -985,-1175 -895,-1175 -885,-1185 -885,-1295 -895,-1305
  region net Vin: -795,-1450 -805,-1440 -805,-1215 -795,-1205 -625,-1205 -615,-1215 -615,-1440 -625,-1450
  region net Vin: -1235,-1450 -1245,-1440 -1245,-1215 -1235,-1205 -1065,-1205 -1055,-1215 -1055,-1440 -1065,-1450
  region net Vin: -1675,-1450 -1685,-1440 -1685,-1215 -1675,-1205 -1505,-1205 -1495,-1215 -1495,-1440 -1505,-1450

## Text inside footprints (layer, text, board x,y; h text height)
U10: Mechanical 13 "*" at -781.5,-289.5 h50